# Altium PCB radxa_cm3i_io_board_v1.4.PcbDoc (part 6 of 9)
Units mil, origin at the board's own origin, x right, y up, seen from the top; angles counter-clockwise.
Board outline 7886.22 x 5511.42 mil, 4 copper layers (Top, GND, Power, Bottom), stack 35.4 mil thick; 724 components, 544 nets, 2607 pads, 3449 vias.
Unrouted connection lines stored in the file: 2847.
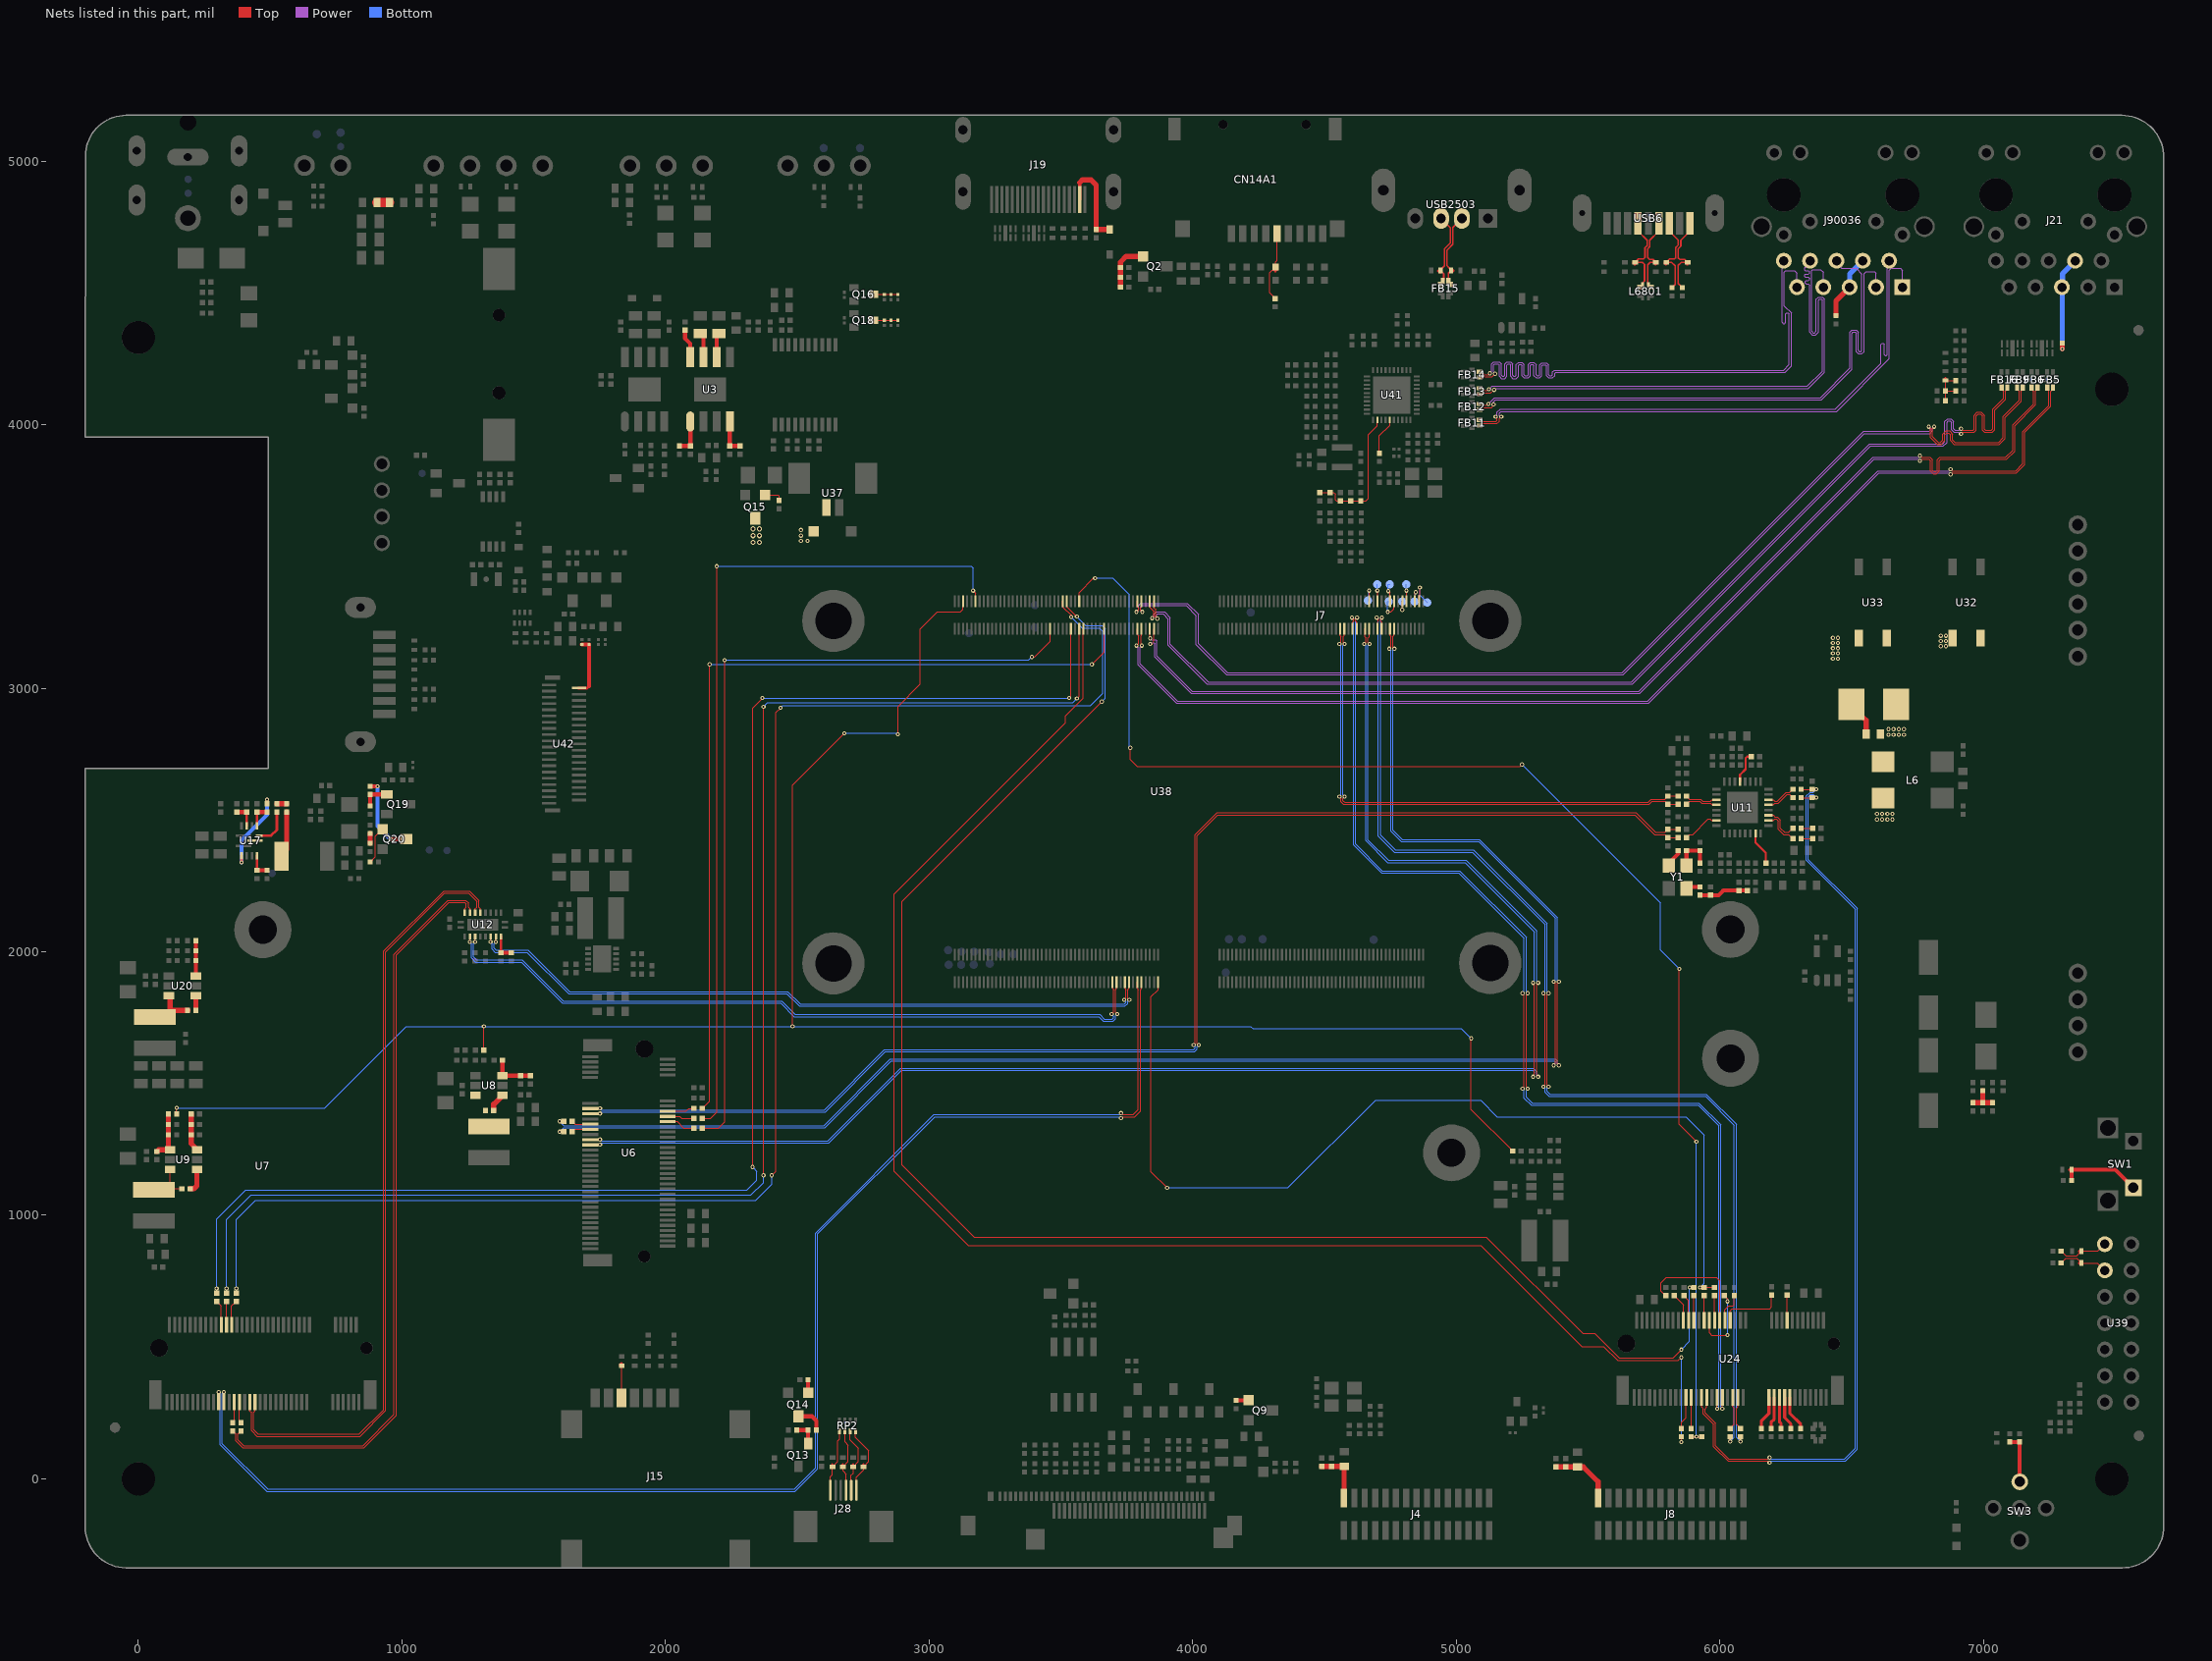
[diagram p8: the nets of this part, all layers, seen from the top]

## Via types
v1: diameter 15.75, hole 7.87, Top to Bottom, 3415 vias
v2: diameter 19.68, hole 11.81, Top to Bottom, 34 vias

## Nets (pads, with @x,y where several pads share a name; then routed paths per layer and width w, separated by ;. In a path a pad name is that pad's centre, name@x,y a point inside that pad or via, vN(x,y) a via of type N, cw(c..) or ccw(c..) an arc to the next point about the centre after c; other vN are vias at no path point) (continued)
N18236164: Q9.1 R308.2 | length 48.2
  Top w15.75: R308.2@4165.35,297.24 4165.95,297.84 Q9.1@4213.34,297.84
N18273304: C219.1 R315.1 R316.2 R317.2 | length 122
  Top w3.94: C219.1@6998.03,1427.17 C219.1@7000,1427.17
  Top w19.68: R317.2@6960.63,1427.17 7000,1427.17 R316.2@7035.43,1427.17 ; C219.1@6998.03,1427.17 R315.1@6998.03,1472.44
N18274624: D37.1 Q15.3 U37.1
  other v1: 2513.78,3559.06 2539.37,3559.06 2513.78,3578.74 2513.78,3600.39
  other v2: 2332.68,3553.15 2356.3,3553.15 2332.68,3578.74 2356.3,3578.74 2332.68,3604.33 2356.3,3604.33
N18274654: Q15.1 R352.2 | length 71.6
  Top w3.94: Q15.1@2378.55,3733.51 2427.91,3733.51 2431.1,3730.31 R352.2@2431.1,3712.6
N18289146: R215.2 U24.17 | length 126.9
  Top w11.81: U24.17@6246.06,308.07 6246.06,232.28 6269.69,208.66 R215.2@6269.69,190.94
N18289147: R214.2 U24.15 | length 134.3
  Top w11.81: U24.15@6265.75,308.07 6265.75,248.03 6307.09,206.69 R214.2@6307.09,190.94
N18289148: R212.2 U24.19 | length 119.6
  Top w11.81: U24.19@6226.38,308.07 6226.38,216.54 6232.28,210.63 R212.2@6232.28,190.94
N18289149: R213.2 U24.21 | length 122
  Top w11.81: R213.2@6194.88,190.94 6194.88,214.57 6206.69,226.38 U24.21@6206.69,308.07
N18289150: R216.2 U24.23 | length 129.4
  Top w11.81: R216.2@6157.48,190.94 6157.48,218.5 6187.01,248.03 U24.23@6187.01,308.07
N18289298: R55.2 U24.48 | length 93.5
  Top w3.94: U24.48@5940.94,601.38 R55.2@5940.94,694.88
N18289318: R52.2 U24.46 | length 274.9
  Top w3.94: U24.46@5960.63,601.38 5960.63,553.15 5968.5,545.28 v1(6029.53,545.28) ; R52.2@6017.72,694.88 6029.53,683.07 v1(6029.53,673.23)
  Bottom w3.94: v1(6029.53,545.28) v1(6029.53,673.23)
N18289419: R219.2 U24.44 | length 93.5
  Top w3.94: U24.44@5980.31,601.38 R219.2@5980.32,694.88
N18301690: D45.2 L6801.3 R355.1 USB6.2 | length 312.9
  Top w5.91: L6801.3@5729.33,4530.52 5738.19,4521.65 R355.1@5740.16,4521.65 ; L6801.3@5729.33,4530.52 5726.38,4533.46 5726.38,4606.31 5736.21,4616.13 D45.2@5757.87,4616.14 5747.05,4626.97 5733.48,4626.97 5726.38,4634.07 5726.38,4667.32 5734.45,4675.39 5734.45,4699.41 5768.9,4733.86 USB6.2@5768.9,4763.39
N18301692: D46.2 L6801.1 R356.1 USB6.3 | length 325.6
  Top w5.91: USB6.3@5690.16,4763.39 5690.16,4733.86 5724.61,4699.41 5724.61,4679.47 5716.54,4671.4 5716.54,4634.07 5710.91,4628.44 5691.44,4628.44 D46.2@5679.13,4616.14 5706.69,4616.14 5714.57,4608.27 5714.57,4545.28 5707.67,4538.38 L6801.1@5707.67,4530.52 5705.71,4530.52 R356.1@5696.85,4521.65
N18301724: C234.2 D43.2 USB6.8 | length 318
  Top w5.91: USB6.8@5808.27,4763.39 5808.27,4733.86 5842.72,4699.41 5842.72,4681.44 5832.68,4671.4 5832.68,4632.87 5828.25,4628.44 5809.55,4628.44 D43.2@5797.24,4616.14 5816.93,4616.14 5830.71,4602.36 5830.71,4576.77 5830.71,4531.5 C234.2@5818.9,4519.69
N18301726: C235.2 D44.2 USB6.9 | length 322.8
  Top w5.91: C235.2@5858.27,4519.69 5842.52,4535.43 5842.52,4604.33 5854.33,4616.14 D44.2@5877.95,4616.14 5867.13,4626.97 5848.42,4626.97 5842.52,4632.87 5842.52,4667.32 5852.56,4677.36 5852.56,4699.41 5887.01,4733.86 USB6.9@5887.01,4763.39
N18303398: D3.2 R5.2 U39.1 | length 191.7
  Top w3.94: R5.2@7295.28,864.17 7312.99,846.46 7354.33,846.46 D3.2@7372.05,864.17 7435.04,864.17 U39.1@7461.42,890.55
N18303400: D4.2 R6.2 U39.3 | length 192.6
  Top w3.94: R6.2@7295.28,818.9 7312.99,836.61 7354.33,836.61 D4.2@7372.05,818.9 7433.07,818.9 U39.3@7461.42,790.55
N18367558: ED4.1 J15.C6 | length 123.1
  Top w3.94: J15.C6@1833.19,306.5 1833.46,306.5 1833.46,428.74 ED4.1@1833.86,429.13
N18367736: C29.2 U7.49 | length 81.2
  Top w3.94: C29.2@358.27,212.6 364.17,218.5 U7.49@364.17,291.34
N18367738: C27.2 U7.47 | length 81.2
  Top w3.94: U7.47@383.86,291.34 383.86,220.47 389.76,214.57 C27.2@389.76,212.6
N18369165: C51.1 R111.2 R113.2 R114.1 U9.4 | length 193.4
  Top w19.68: R111.2@70.87,1242.13 76.77,1248.03 U9.4@120.08,1248.03 114.17,1248.03 C51.1@114.17,1305.12 R114.1@114.17,1344.49 R113.2@114.17,1383.86
N18369195: C43.2 L2.1 U9.6 | length 245.7
  Top w3.94: U9.6@120.08,1173.23 120.08,1096.46 L2.1@59.06,1096.46 125.98,1096.46 129.92,1100.39 C43.2@165.35,1100.39
N18369197: C43.1 U9.1 | length 91.7
  Top w3.94: C43.1@196.85,1100.39 C43.1@197.05,1100.98
  Top w19.68: C43.1@197.05,1100.98 211.22,1100.98 222.44,1112.2 U9.1@222.44,1173.23
N18369213: C47.2 R112.2 R115.1 U9.3 | length 144.8
  Top w19.68: C47.2@200.79,1383.86 R112.2@200.79,1344.49 R115.1@200.79,1305.12 200.79,1271.65 222.44,1250 U9.3@222.44,1248.03
N18373020: R132.1 U11.7 | length 146
  Top w3.94: R132.1@5874.02,2433.07 5885.83,2444.88 5897.64,2444.88 5956.69,2503.94 5962.6,2503.94 5968.5,2498.03 U11.7@5988.19,2498.03
N18373947: C77.1 R138.2 R142.2 R144.1 | length 186.5
  Top w15.75: R142.2@5925.2,2214.57 R138.2@5964.57,2214.57 5996.06,2214.57 6013.78,2232.28 C77.1@6072.83,2232.28 R144.1@6104.33,2232.28
N18443942: R205.2 R416.2 U42.2 | length 229.9
  Top w3.94: U42.2@1670.27,3000 U42.2@1671.26,3000.79
  Top w9.84: U42.2@1670.27,3000 1702.76,3000 1710.63,3007.87
  Top w15.75: R205.2@1683.07,3165.35 R416.2@1710.63,3165.35 1710.63,3007.87
N18448662: D35.2 J28.1 RP2.4 | length 238.1
  Top w3.94: J28.1@2625.98,-43.31 2625.98,7.87 2633.86,15.75 D35.2@2633.86,45.28 2653.54,64.96 2653.54,144.17 2660.94,151.57 RP2.4@2660.94,180.29
N18448664: D32.2 J28.6 RP2.1 | length 264.2
  Top w3.94: RP2.1@2720.94,180.29 2720.94,157.48 2771.65,106.77 2771.65,64.96 D32.2@2751.97,45.28 2751.97,33.46 2724.41,5.91 J28.6@2724.41,-43.31
N18448674: D34.2 J28.4 RP2.3 | length 241.6
  Top w3.94: RP2.3@2680.94,180.29 2680.94,139.76 2692.91,127.8 2692.91,64.96 D34.2@2673.23,45.28 2673.23,29.53 2685.04,17.72 J28.4@2685.04,-43.31
N18448676: D33.2 J28.5 RP2.2 | length 248
  Top w3.94: RP2.2@2700.94,180.29 2700.94,147.64 2732.28,116.3 2732.28,64.96 D33.2@2712.6,45.28 2712.6,21.65 2704.72,13.78 J28.5@2704.72,-43.31
N18448682: Q13.1 R341.1 R344.2 | length 94.5
  Top w15.75: R341.1@2498.03,185.04 R344.2@2541.34,185.04 Q13.1@2541.34,133.86
N18450943: Q19.1 R417.1 R420.2 | length 106.3
  Top w15.75: R417.1@879.92,2553.15 R420.2@879.92,2596.46 Q19.1@942.91,2596.46
N18454721: ED18.1 FB15.3 R423.2 USB2503.3 | length 290.1
  Top w5.91: R423.2@4940.94,4531.5 4940.94,4535.43 4949.8,4544.29 FB15.3@4948.82,4545.28 4952.76,4549.21 4952.76,4572.83 ED18.1@4940.94,4584.65 4946.73,4593.38 4955.71,4602.36 4955.71,4666.81 4977.36,4688.46 4977.36,4747.83 USB2503.3@4942.91,4782.28
N18454723: ED17.1 FB15.2 R422.2 USB2503.2 | length 292
  Top w5.91: R422.2@4978.35,4531.5 4982.51,4532.33 4970.47,4544.37 FB15.2@4970.47,4545.28 4970.47,4574.8 ED17.1@4980.32,4584.65 4974.53,4593.38 4965.55,4602.36 4965.55,4662.73 4987.2,4684.38 4987.2,4747.83 USB2503.2@5021.65,4782.28
N18494128: D40.2 R37.2 SW1.2 | length 304.5
  Top w15.75: R37.2@7334.65,1131.89 D40.2@7334.65,1173.23 7500.39,1173.23 SW1.2@7569.29,1104.33
N18498224: R142.1 Y1.3 | length 53.6
  Top w15.75: Y1.3@5874.01,2240.15 5879.92,2246.06 R142.1@5925.2,2246.06
N18498228: R135.2 Y1.1 | length 71.8
  Top w15.75: Y1.1@5807.09,2326.78 5807.09,2336.62 5842.52,2372.05 R135.2@5842.52,2383.86
N18498229: C76.1 FB3.2 R135.1 Y1.4 | length 155.5
  Top w15.75: Y1.4@5874.01,2326.78 R135.1@5874.02,2383.86 C76.1@5925.2,2383.86 FB3.2@5925.2,2336.61
N18503351: C24.1 C25.1 FB7.2 J4.1 | length 204.9
  Top w19.68: FB7.2@4490.16,47.24 C25.1@4527.56,47.24 C24.1@4574.8,47.24 4574.41,46.85 J4.1@4574.41,-72.83
N18505358: C26.1 C144.1 FB8.2 J8.1 | length 245.8
  Top w19.68: FB8.2@5377.95,45.28 C144.1@5415.35,45.28 C26.1@5460.63,45.28 5482.28,45.28 5538.58,-11.02 J8.1@5538.58,-72.83
N18508483: R16.2 R19.1 SW3.L2 | length 188.7
  Top w15.75: R16.2@7100.39,139.76 R19.1@7137.8,139.76 7137.8,-11.02 SW3.L2@7138.19,-11.42
N18517615: C75.2 U11.15 | length 128.5
  Top w7.87: U11.15@6135.83,2448.82 6135.83,2413.39 6175.2,2374.02 C75.2@6175.2,2336.61
N18517745: C23.2 R41.1 | length 37.4
  Top w19.68: R41.1@879.92,2411.42 C23.2@879.92,2448.82
N18517917: C85.2 R42.2 | length 47.2
  Top w35.43: C85.2@905.51,4842.52 R42.2@952.76,4842.52
N18517956: R127.1 U11.3 | length 124.8
  Top w3.94: R127.1@5874.02,2590.55 5885.83,2578.74 5927.17,2578.74 5935.04,2570.87 5964.57,2570.87 5970.47,2576.77 U11.3@5988.19,2576.77
N18517958: R128.1 U11.4 | length 124.8
  Top w3.94: R128.1@5874.02,2559.06 5885.83,2570.87 5923.23,2570.87 5931.1,2562.99 5964.57,2562.99 5970.47,2557.09 U11.4@5988.19,2557.09
N18517964: R147.1 U11.19 | length 144.1
  Top w3.94: U11.19@6185.04,2517.72 6202.76,2517.72 6208.66,2511.81 6218.5,2511.81 6230.32,2500 6230.32,2469.09 6246.64,2452.76 6261.81,2452.76 R147.1@6277.56,2468.5
N18517966: R148.1 U11.18 | length 144.4
  Top w3.94: U11.18@6185.04,2498.03 6202.76,2498.03 6208.66,2503.94 6214.57,2503.94 6222.44,2496.06 6222.44,2464.57 6242.13,2444.88 6261.81,2444.88 R148.1@6277.56,2429.13
N18518030: R136.1 U11.22 | length 113.7
  Top w3.94: U11.22@6185.04,2576.77 6202.76,2576.77 6208.66,2570.87 6218.5,2570.87 6251.97,2604.33 6265.75,2604.33 R136.1@6277.56,2616.14
N18518036: R137.1 U11.21 | length 113.7
  Top w3.94: U11.21@6185.04,2557.09 6202.76,2557.09 6208.66,2562.99 6222.44,2562.99 6255.91,2596.46 6265.75,2596.46 R137.1@6277.56,2584.65
N18522229: R146.2 U11.29 | length 121.7
  Top w7.87: U11.29@6076.77,2645.67 6076.77,2671.26 6098.43,2692.91 6098.43,2734.25 6104.33,2740.16 R146.2@6120.08,2740.16
N18573839: C212.2 D28.2 L6.1 U32.3 U33.3 | length 143.3
  Top w3.94: v1@6836.22,3152.95 6836.81,3159.45 v1(6838.58,3159.45)
  Top w19.68: D28.2@6500,2938.98 6519.69,2919.29 6519.69,2913.39 6555.12,2877.95 C212.2@6555.12,2826.77
  other v1: 6429.13,3112.2 6448.82,3112.2 6429.13,3131.89 6448.82,3131.89 6429.13,3151.57 6448.82,3151.57 6858.27,3159.45 6429.13,3171.26 6448.82,3171.26 6838.58,3179.13 6858.27,3179.13 6429.13,3190.94 6448.82,3190.94 6838.58,3198.82 6858.27,3198.82
N18573914: C212.1 D28.1 L6.4 U32.4 U33.4
  other v1: 6596.46,2501.97 6616.14,2501.97 6635.83,2501.97 6655.51,2501.97 6596.46,2523.62 6616.14,2523.62 6635.83,2523.62 6655.51,2523.62 6639.76,2822.83 6659.45,2822.83 6679.13,2822.83 6698.82,2822.83 6639.76,2844.49 6659.45,2844.49 6679.13,2844.49 6698.82,2844.49
N18577904: Q16.3 R4.2 R44.2 R45.1 | length 96.5
  Top w3.94: Q16.3@2789.37,4494.09 R4.2@2830.71,4494.09 R44.2@2856.3,4494.09 2883.86,4494.09 R45.1@2881.89,4494.09
N18577916: Q18.3 R2.2 R47.2 R48.1 | length 92.5
  Top w3.94: Q18.3@2789.37,4395.67 R2.2@2830.71,4395.67 R47.2@2856.3,4395.67 R48.1@2881.89,4395.67
N18613115: R49.1 U24.16 | length 95.5
  Top w3.94: U24.16@6255.9,601.38 R49.1@6255.91,696.85
N18613139: R50.1 U24.38 | length 244.9
  Top w3.94: U24.38@6039.37,601.38 6039.37,637.8 6047.24,645.67 6190.94,645.67 6196.85,651.57 R50.1@6196.85,696.85
N18613152: R218.2 U24.40 | length 118.6
  Top w3.94: U24.40@6019.68,601.38 6019.68,641.73 6033.46,655.51 6051.18,655.51 6055.12,659.45 R218.2@6055.12,694.88
N18613176: R51.2 U24.42 | length 442.6
  Top w3.94: R51.2@5795.28,694.88 5777.56,712.6 5777.56,744.09 5797.24,763.78 5862.2,763.78 5988.19,763.78 6000,751.97 U24.42@6000,601.38
N18613293: R53.2 U24.54 | length 100.8
  Top w3.94: R53.2@5864.17,694.88 5881.89,677.17 U24.54@5881.89,601.38
N18613321: R54.2 U24.56 | length 108.2
  Top w3.94: R54.2@5826.77,694.88 5862.2,659.45 U24.56@5862.2,601.38
N18719319: R33.1 U3.8 | length 110.3
  Top w15.75: R33.1@2074.8,4358.27 2074.8,4326.77 2094.09,4307.48 U3.8@2094.09,4255.91
N18719410: C19.1 R29.2 U3.1 | length 134
  Top w15.75: R29.2@2053.15,3919.29 C19.1@2094.49,3919.29
  Top w16.93: U3.1@2094.09,4011.81 2094.09,3919.69 C19.1@2094.49,3919.29
N18719476: C18.1 R31.2 U3.4 | length 131.9
  Top w15.75: U3.4@2244.09,4011.81 C18.1@2244.09,3919.29 R31.2@2283.46,3919.29
N18719480: R30.1 U3.7 | length 95.8
  Top w15.75: R30.1@2131.89,4346.46 2143.7,4334.65 2144.09,4334.65 U3.7@2144.09,4255.91
N18719511: R32.1 U3.6 | length 94.1
  Top w15.75: U3.6@2194.09,4255.91 2194.09,4337.79 R32.1@2202.76,4346.46
N18884536: C30.2 U6.49 | length 73.9
  Top w3.94: C30.2@1645.67,1356.3 1656.3,1345.67 U6.49@1715.16,1345.67
N18884538: C28.2 U6.47 | length 73.2
  Top w3.94: C28.2@1645.67,1316.93 1654.72,1325.98 U6.47@1715.16,1325.98
N18944905: C241.2 J90036.4 J90036.5 | length 250.5
  Top w19.68: C241.2@6440.94,4413.39 6440.94,4469.68 J90036.5@6492.91,4521.65
  Bottom w19.68: J90036.5@6492.91,4521.65 6492.91,4571.65 J90036.4@6542.91,4621.65
N19132698: C140.1 D17.2 J19.18 | length 359.4
  Top w3.94: C140.1@3633.86,4740.16 C140.1@3637.8,4740.16
  Top w11.81: J19.18@3571.97,4854 3571.97,4918.43
  Top w19.68: 3571.97,4918.43 3582.68,4929.13 3614.17,4929.13 3633.86,4909.45 C140.1@3633.86,4740.16 ; C140.1@3637.8,4740.16 D17.2@3685.04,4740.16
N19184410: R222.2 U24.55 | length 124.5
  Top w3.94: R222.2@5854.33,190.94 5854.33,214.57 5872.05,232.28 U24.55@5872.05,308.07
N19184430: R220.2 U24.53 | length 117.1
  Top w3.94: R220.2@5891.73,190.94 U24.53@5891.73,308.07
N19184506: R221.2 U24.52 | length 93.5
  Top w3.94: U24.52@5901.57,601.38 R221.2@5901.57,694.88
N19228919: C38.2 L1.1 U8.6
N19228921: C38.1 U8.1 | length 70.9
  Top w19.68: C38.1@1348.43,1397.64 1348.43,1421.26 U8.1@1381.89,1454.72
N19228939: C39.2 R107.2 R110.1 U8.3 | length 167.3
  Top w3.94: C39.2@1448.82,1529.53 C39.2@1450.79,1529.53
  Top w15.75: R110.1@1381.89,1588.58 U8.3@1381.89,1529.53 1448.82,1529.53 R107.2@1488.19,1529.53
N19291115: C147.2 U24.37 | length 126.1
  Top w3.94: C147.2@6039.37,190.94 6055.12,206.69 6055.12,234.25 6055.12,267.72 6049.21,273.62 U24.37@6049.21,308.07
N19291118: C146.2 U24.35 | length 126.1
  Top w3.94: U24.35@6068.9,308.07 6068.9,273.62 6062.99,267.72 6062.99,206.69 C146.2@6078.74,190.94
N19323396: C123.1 R184.2 U17.6 | length 92.5
  Top w9.84: C123.1@450.79,2309.06 U17.6@450.79,2364.17
  Top w15.75: C123.1@450.79,2309.06 R184.2@488.19,2309.06
N19323402: C124.1 R185.2 U17.9 | length 88.6
  Top w9.84: U17.9@450.79,2478.35 C124.1@450.79,2529.53
  Top w15.75: C124.1@450.79,2529.53 R185.2@488.19,2529.53
N19323495: C112.2 L3.1 U17.7 | length 175.5
  Top w19.68: L3.1@543.31,2362.2 543.31,2368.11 562.99,2387.8 C112.2@562.99,2529.53
N19323501: R182.1 R183.2 U17.11 | length 88.6
  Top w9.84: U17.11@411.42,2478.35 R183.2@411.42,2529.53
  Top w15.75: R182.1@374.02,2529.53 R183.2@411.42,2529.53
N19323523: R179.1 U17.8 | length 142.8
  Top w9.84: U17.8@458.66,2440.95 503.94,2440.95 525.59,2462.6 R179.1@525.59,2529.53
N19323525: C112.1 R179.2 | length 37.4
  Top w19.68: R179.2@525.59,2561.02 C112.1@562.99,2561.02
N19323570: R185.1 U17.3 | length 319.5
  Top w9.84: v1(391.73,2338.58) U17.3@391.73,2364.17
  Top w15.75: R185.1@488.19,2561.02 v1(488.19,2576.77)
  Bottom w15.75: v1(391.73,2338.58) 391.73,2423.23 488.19,2519.69 v1(488.19,2576.77)
N19610334: C157.2 J21.4 J21.5 | length 378.1
  Top w19.68: v1(7299.21,4287.4) C157.2@7299.21,4309.06
  Bottom w19.68: J21.5@7298.03,4521.65 J21.5@7300,4521.65 ; v1(7299.21,4287.4) 7299.21,4520.87 J21.5@7300,4521.65 ; J21.4@7348.03,4621.65 7348.03,4619.69 7300,4571.65 J21.5@7300,4521.65
N19614789: D27.2 R233.2 R234.2 R236.2 R237.1 | length 155.5
  Top w3.94: R234.2@6856.3,4090.55 R233.2@6856.3,4127.95 ; R236.2@6895.67,4127.95 R233.2@6856.3,4127.95 ; R237.1@6895.67,4167.32 D27.2@6856.3,4167.32 R233.2@6856.3,4127.95
N19638712: C127.2 L4.1 U20.6 | length 126
  Top w20.87: U20.6@116.14,1832.68 120.08,1832.68 120.08,1777.56 C127.2@187.01,1777.56
N19638714: C127.1 U20.1 | length 55.1
  Top w19.68: C127.1@218.5,1777.56 U20.1@218.5,1832.68
N19638732: C130.2 R188.2 R193.1 U20.3 | length 133.9
  Top w15.75: U20.3@218.5,1907.48 R193.1@218.5,1966.54 R188.2@218.5,2003.94 C130.2@218.5,2041.34
N19658373: CN14A1.5 ED9.1 R175.2 | length 265.2
  Top w3.94: R175.2@4312.99,4478.35 4312.99,4480.31 4293.31,4500 4293.31,4576.18 ED9.1@4314.96,4597.83 4314.96,4618.11 4320.47,4623.62 CN14A1.5@4320.47,4724.19
N19659610: C107.2 Q2.1 R177.2 R178.1 | length 189.4
  Top w19.68: R178.1@3726.38,4521.65 C107.2@3726.38,4559.06 R177.2@3726.38,4596.46 3726.38,4616.74 3748.03,4638.39 Q2.1@3811.77,4638.39
N20762802: R148.2 R149.1 | length 43.3
  Top w3.94: R148.2@6309.06,2429.13 R149.1@6352.36,2429.13
N20762824: R147.2 R150.1 | length 43.3
  Top w3.94: R147.2@6309.06,2468.5 R150.1@6352.36,2468.5
N181688520: J7.4 P24.1 | length 122.2
  Top w3.94: J7.4@4859.06,3329.53 4859.06,3352.36 4862.2,3355.51 v1(4862.2,3381.89)
  Bottom w3.94: v1(4862.2,3381.89) 4862.2,3352.36 P24.1@4889.76,3324.8
N181688522: J7.6 P25.1 | length 71.6
  Top w3.94: J7.6@4843.31,3329.53 4843.31,3361.02 v1(4846.46,3364.17)
  Bottom w3.94: P25.1@4842.52,3328.74 v1(4846.46,3364.17)
N181688526: J7.10 P26.1 | length 64.5
  Top w3.94: v1(4811.02,3370.08) 4811.81,3369.29 J7.10@4811.81,3329.53
  Bottom w3.94: v1(4811.02,3370.08) P26.1@4811.02,3393.7
N181688528: J7.12 P27.1 | length 64.1
  Top w3.94: v1(4795.28,3297.24) 4795.28,3328.74 J7.12@4796.06,3329.53
  Bottom w3.94: v1(4795.28,3297.24) P27.1@4795.28,3328.74
N184487730: Q14.1 R345.1 | length 50.6
  Top w15.75: R345.1@2541.34,375.98 2541.34,326.03 Q14.1@2541.94,326.03
N184488172: Q14.3 R344.1 | length 111.2
  Top w15.75: Q14.3@2503.94,236.97 2556.34,236.97 2572.83,220.47 R344.1@2572.83,185.04
N184509890: Q20.1 R418.1 | length 145.7
  Top w3.94: R418.1@879.92,2340.55 899.61,2360.24 899.61,2438.98 925.8,2465.17 Q20.1@927.91,2465.17
N184510372: Q20.3 R420.1 | length 309
  Top w15.75: R420.1@879.92,2627.95 v1(907.48,2627.95) ; v1(956.69,2427.17) Q20.3@1016.97,2427.17
  Bottom w15.75: v1(907.48,2627.95) 907.48,2476.38 v1(956.69,2427.17)
N1816885212: J7.16 P28.1 | length 101
  Top w3.94: v1(4740.16,3289.37) 4752.76,3289.37 4764.57,3301.18 J7.16@4764.57,3329.53
  Bottom w3.94: v1(4740.16,3289.37) 4740.16,3328.74 P28.1@4744.09,3328.74
N1816885214: J7.18 P29.1 | length 72.9
  Top w3.94: v1(4742.13,3368.11) 4748.82,3361.42 J7.18@4748.82,3329.53
  Bottom w3.94: v1(4742.13,3368.11) 4742.13,3393.7 P29.1@4748.03,3393.7
N1816885220: J7.24 P30.1 | length 64.5
  Top w3.94: v1(4700.79,3370.08) 4701.57,3369.29 J7.24@4701.57,3329.53
  Bottom w3.94: v1(4700.79,3370.08) P30.1@4700.79,3393.7
N1816885224: J7.28 P31.1 | length 79.9
  Top w3.94: v1(4669.29,3370.08) 4670.08,3369.29 J7.28@4670.08,3329.53
  Bottom w3.94: P31.1@4665.35,3332.68 4666.08,3333.41 4666.08,3337.99 4669.29,3341.2 v1(4669.29,3370.08)
PCIE20-CLKREQN: R99.1 U38.40 | length 5650.2
  Top w3.94: R99.1@334.65,704.72 v1(334.65,722.44) ; v1(2372.05,1151.57) v1(2372.05,2929.13) ; v1(3561.02,2960.63) 3569.88,2969.49 U38.40@3569.88,3225.2
  Bottom w3.94: v1(334.65,722.44) 334.65,984.25 427.17,1076.77 2324.8,1076.77 2372.05,1124.02 v1(2372.05,1151.57) ; v1(2372.05,2929.13) 2387.8,2944.88 3545.28,2944.88 v1(3561.02,2960.63)